# Altium PCB PCB_15122020_01BC.PcbDoc (part 2 of 9) (continued)
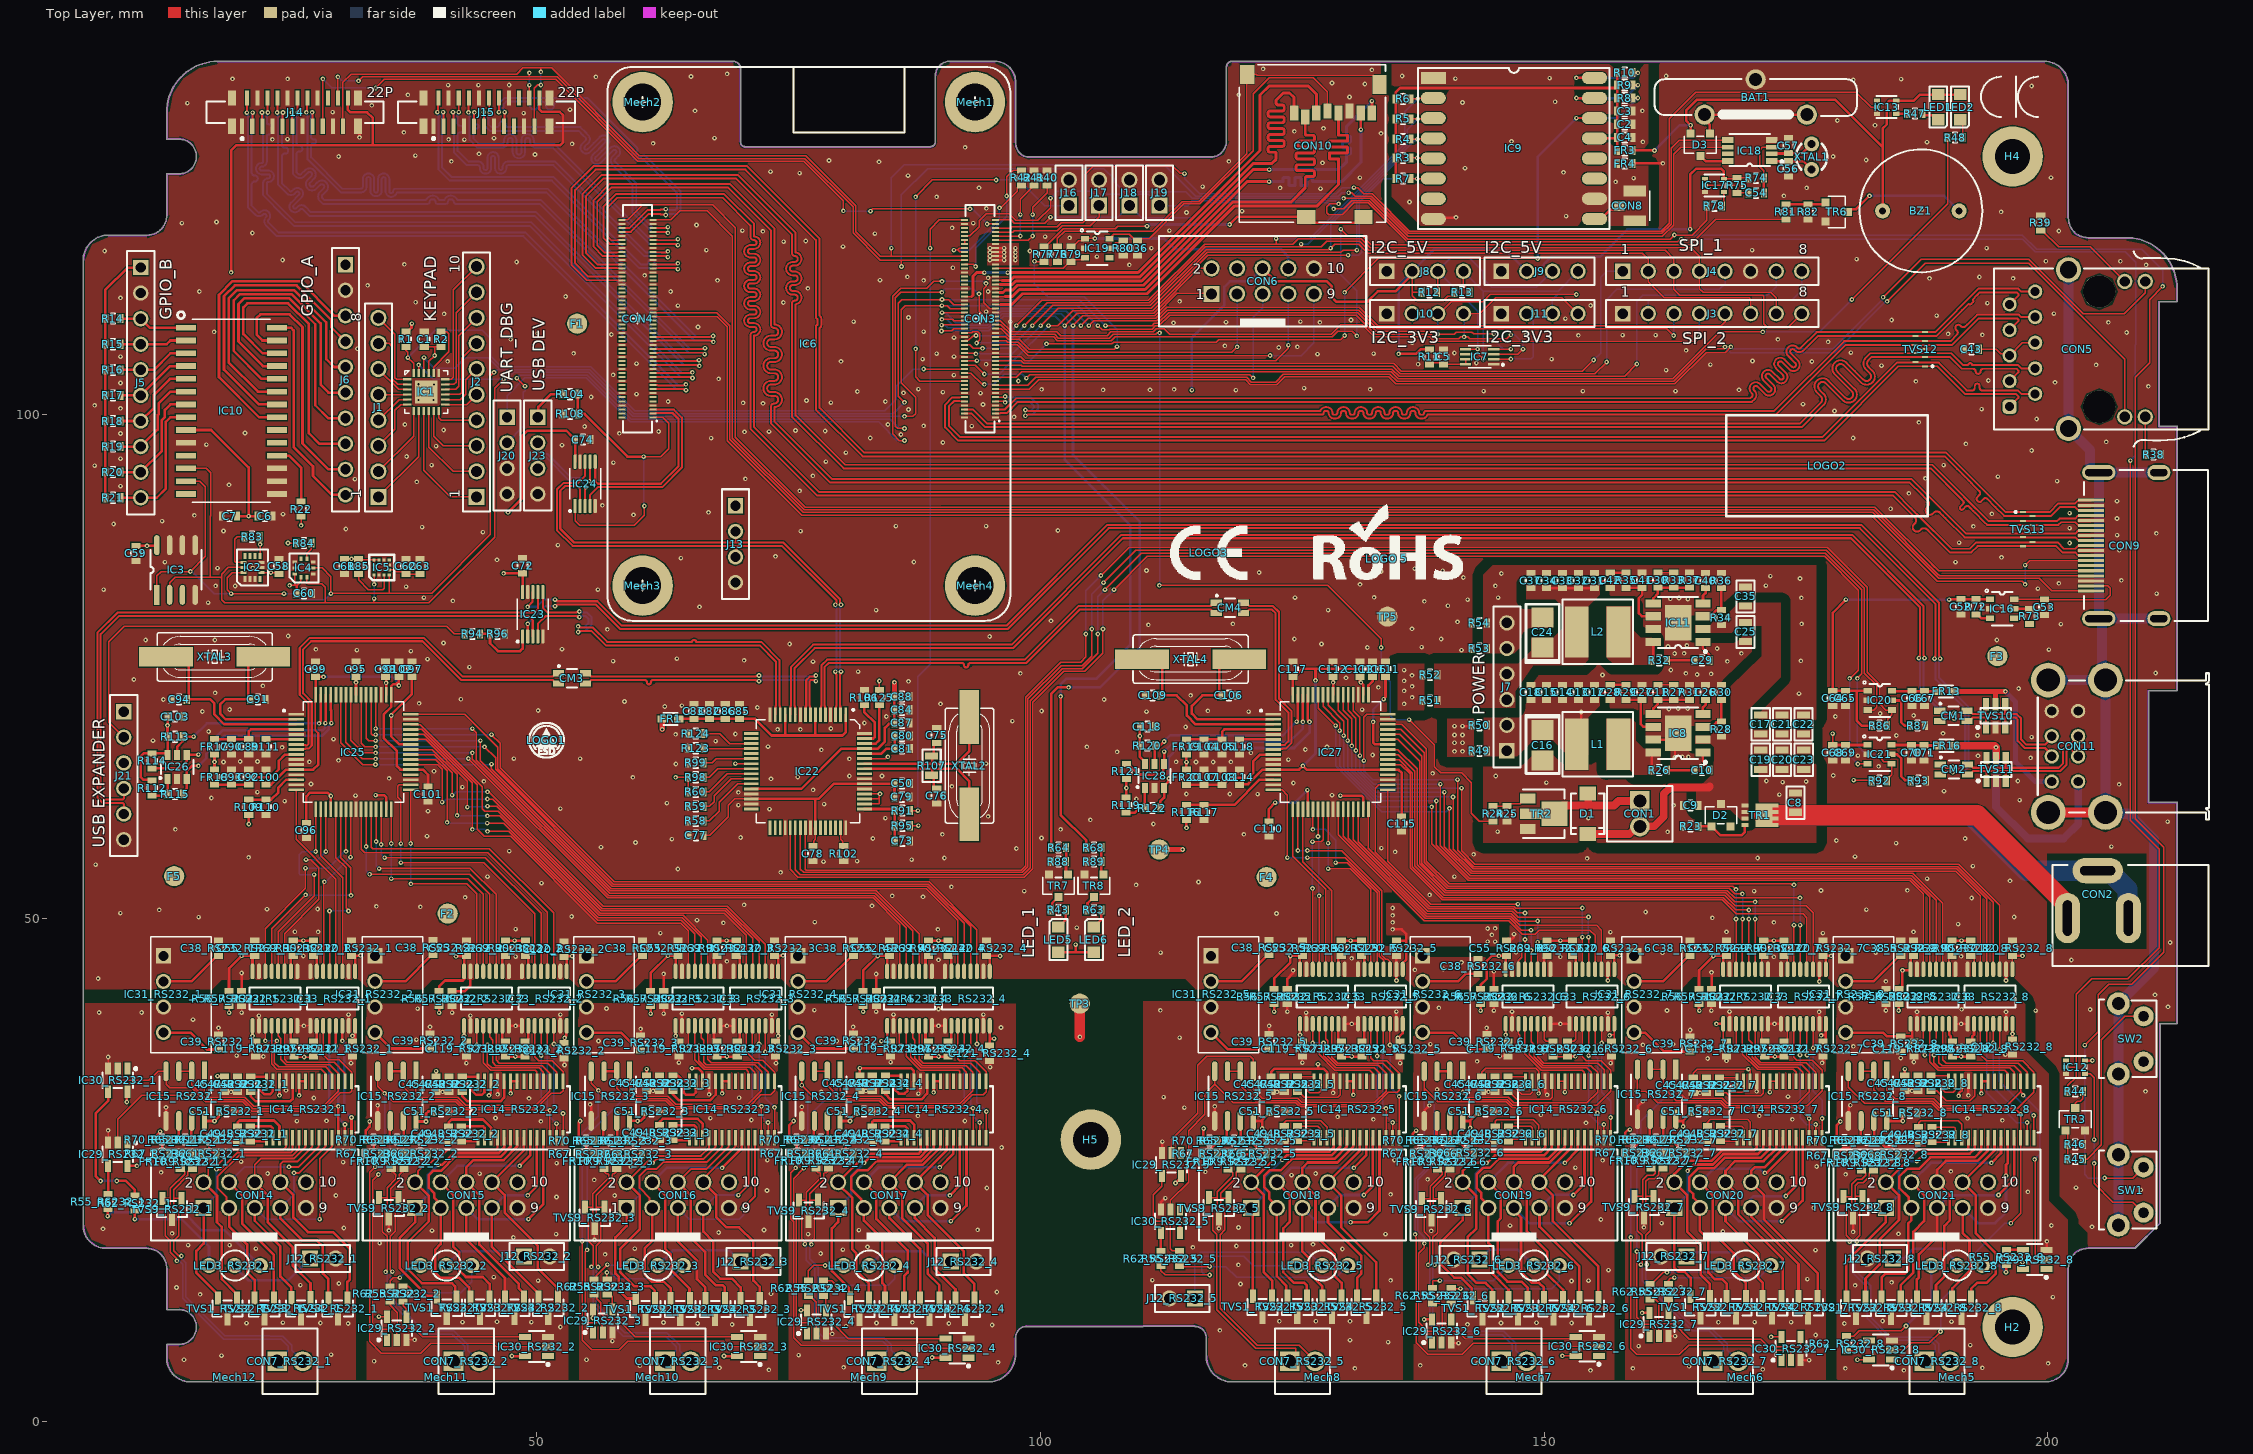
[diagram p0: Top Layer view]
## Part data (continued)
IC3: "SENSOR DIGITAL -55C-125C 8SOIC", Case/Package=SOIC, Manufacturer="TI National Semiconductor", Max Operating Temperature=125°C, Max Supply Voltage=5.5V, Min Operating Temperature=-55°C, Min Supply Voltage=2.7V, Operating Supply Current=280uA, Output Current=1uA, Package Quantity=2500, Quiescent Current=500uA, Supplier Part Number 1=LM75AIMX/NOPBCT-ND, Category="Sensors, Transducers", ComponentLink1Description=https://datasheet.ciiva.com/3277/lm75a-3277942.pdf?src-supplier=Avnet, ComponentLink1URL=https://datasheet.ciiva.com/3277/lm75a-3277942.pdf?src-supplier=Avnet, ComponentLink2Description=https://datasheet.ciiva.com/46417/1841923-46417014.pdf?src-supplier=Element14, ComponentLink2URL=https://datasheet.ciiva.com/46417/1841923-46417014.pdf?src-supplier=Element14, ComponentLink3Description=https://datasheet.ciiva.com/6598/lm75a-6598537.pdf?src-supplier=Digi-Key, ComponentLink3URL=https://datasheet.ciiva.com/6598/lm75a-6598537.pdf?src-supplier=Digi-Key, ComponentLink4Description=https://datasheet.ciiva.com/6598/lm75a-6598538.pdf?src-supplier=Digi-Key, ComponentLink4URL=https://datasheet.ciiva.com/6598/lm75a-6598538.pdf?src-supplier=Digi-Key, ComponentLink5Description=https://datasheet.ciiva.com/6598/lm75a-6598539.pdf?src-supplier=Digi-Key, ComponentLink5URL=https://datasheet.ciiva.com/6598/lm75a-6598539.pdf?src-supplier=Digi-Key, Contact Plating=Tin, Interface=I2C,SMBus,2-Wire, Lead Free="Lead Free", Manufacturer Part Number=LM75AIMX/NOPB, Max Supply Voltage (DC)=5.5V, Min Supply Voltage (DC)=2.7V, Mount="Surface Mount", Number of Bits=9, Number of Pins=8, Output Type=I2C,Digital, Packaging="Tape and Reel", Pricing 1="1 = 1,81000, 5 = 1,74200, 10 = 1,41600, 25 = 1,21960, 50 = 1,05640, 100 = 0,95830, 500 = 0,80586, 1000 = 0,71874 (USD)", Radiation Hardening=No, REACH SVHC="No SVHC", Resolution=9b, RoHS=Yes, Stock 1=21295, Supplier 1=Digi-Key
IC4: "IC MEMS PRESSURE SENSOR 10HCLGA", Manufacturer=STMicroelectronics, Max Operating Temperature=105°C, Max Supply Voltage=3.6V, Min Operating Temperature=-30°C, Min Supply Voltage=1.7V, Operating Pressure=18.27PSI, Supplier Part Number 1=497-15070-1-ND, Category="Sensors, Transducers", ComponentLink1Description=http://www.farnell.com/datasheets/2309000.pdf?src-supplier=Farnell, ComponentLink1URL=http://www.farnell.com/datasheets/2309000.pdf?src-supplier=Farnell, ComponentLink2Description=https://www.mouser.com/ds/2/389/lps25hb-954985.pdf?src-supplier=Mouser, ComponentLink2URL=https://www.mouser.com/ds/2/389/lps25hb-954985.pdf?src-supplier=Mouser, ComponentLink3Description=http://www.st.com/content/ccc/resource/technical/document/datasheet/9a/4c/aa/72/1f/45/4e/24/DM00141379.pdf/files/DM00141379.pdf/jcr:content/translations/en.DM00141379.pdf?src-supplier=Digi-Key, ComponentLink3URL=http://www.st.com/content/ccc/resource/technical/document/datasheet/9a/4c/aa/72/1f/45/4e/24/DM00141379.pdf/files/DM00141379.pdf/jcr:content/translations/en.DM00141379.pdf?src-supplier=Digi-Key, ComponentLink4Description=http://www.farnell.com/datasheets/2309000.pdf?src-supplier=Newark, ComponentLink4URL=http://www.farnell.com/datasheets/2309000.pdf?src-supplier=Newark, ComponentLink5Description=http://www.farnell.com/datasheets/1992925.pdf?src-supplier=Element14, ComponentLink5URL=http://www.farnell.com/datasheets/1992925.pdf?src-supplier=Element14, ComponentLink6Description=http://www.st.com/st-web-ui/static/active/en/resource/technical/document/datasheet/DM00141379.pdf?src-supplier=Avnet, ComponentLink6URL=http://www.st.com/st-web-ui/static/active/en/resource/technical/document/datasheet/DM00141379.pdf?src-supplier=Avnet, ComponentLink7Description=http://www.st.com/st-web-ui/static/active/en/resource/technical/document/datasheet/DM00141379.pdf?src-supplier=Avnet+Asia, ComponentLink7URL=http://www.st.com/st-web-ui/static/active/en/resource/technical/document/datasheet/DM00141379.pdf?src-supplier=Avnet+Asia, Contact Plating=Gold, Lead Free="Lead Free", Manufacturer Part Number=LPS25HBTR, Max Pressure=290.08PSI, Mount="Surface Mount", Number of Pins=10, Output Type=SPI,I2C, Port Style="No Port", Pressure Type=Absolute, Pricing 1="1 = 4,05000, 10 = 3,63900, 25 = 3,44040, 100 = 2,98160, 500 = 2,53814, 1000 = 2,14060 (USD)", Pricing 2="1 = 4,05000, 10 = 3,63900, 25 = 3,44040, 100 = 2,98160, 500 = 2,53814, 1000 = 2,14060 (USD)", REACH SVHC="No SVHC", RoHS=Yes, Stock 1=1317, Stock 2=757, Supplier 1=Digi-Key, Termination=Solder
IC5: "ULTRA-COMPACT HIGH-PERFORMANCE E", Manufacturer=STMicroelectronics, Supplier Part Number 1=497-17588-6-ND, Category="Sensors, Transducers", ComponentLink1Description=http://www.st.com/content/ccc/resource/technical/document/datasheet/group3/29/13/d1/e0/9a/4d/4f/30/DM00395193/files/DM00395193.pdf/jcr:content/translations/en.DM00395193.pdf?src-supplier=Digi-Key, ComponentLink1URL=http://www.st.com/content/ccc/resource/technical/document/datasheet/group3/29/13/d1/e0/9a/4d/4f/30/DM00395193/files/DM00395193.pdf/jcr:content/translations/en.DM00395193.pdf?src-supplier=Digi-Key, Manufacturer Part Number=LIS2MDLTR, Pricing 1="1 = 1,95000, 10 = 1,74900, 25 = 1,65000, 100 = 1,40580, 500 = 1,15500, 1000 = 0,95700, 5000 = 0,85800 (USD)", RoHS=No, Stock 1=20734, Supplier 1=Digi-Key
IC6: library part CM4, Category=Module
IC7: "TEXAS INSTRUMENTS - PCA9306DCUR - 2 BIT VOLTAGE LEVEL TRANSLATOR VSSOP8", Case/Package=VSSOP, Manufacturer="Texas Instruments", Max Operating Temperature=85°C, Max Supply Voltage=5V, Min Operating Temperature=-40°C, Min Supply Voltage=0uV, Output Current=64mA, Package Quantity=1, Supplier Part Number 1=296-17988-1-ND, Category="Integrated Circuits (ICs) Logic - Translators, Level Shifters", ComponentLink1Description=https://datasheet.ciiva.com/36526/2030035-36526265.pdf?src-supplier=Jameco, ComponentLink1URL=https://datasheet.ciiva.com/36526/2030035-36526265.pdf?src-supplier=Jameco, ComponentLink2Description=https://datasheet.ciiva.com/1899/pca9306-1899329.pdf?src-supplier=Digi-Key, ComponentLink2URL=https://datasheet.ciiva.com/1899/pca9306-1899329.pdf?src-supplier=Digi-Key, ComponentLink3Description=https://datasheet.ciiva.com/1899/pca9306-1899330.pdf?src-supplier=Digi-Key, ComponentLink3URL=https://datasheet.ciiva.com/1899/pca9306-1899330.pdf?src-supplier=Digi-Key, ComponentLink4Description=https://datasheet.ciiva.com/1899/pca9306-1899331.pdf?src-supplier=Digi-Key, ComponentLink4URL=https://datasheet.ciiva.com/1899/pca9306-1899331.pdf?src-supplier=Digi-Key, ComponentLink5Description=https://datasheet.ciiva.com/14287/pca9306-14287462.pdf?src-supplier=Avnet, ComponentLink5URL=https://datasheet.ciiva.com/14287/pca9306-14287462.pdf?src-supplier=Avnet, ComponentLink6Description=https://datasheet.ciiva.com/1508/1815321-1508635.pdf?src-supplier=Element14, ComponentLink6URL=https://datasheet.ciiva.com/1508/1815321-1508635.pdf?src-supplier=Element14, ComponentLink7Description=https://datasheet.ciiva.com/1508/1862428-1508795.pdf?src-supplier=Element14, ComponentLink7URL=https://datasheet.ciiva.com/1508/1862428-1508795.pdf?src-supplier=Element14, Contact Plating=Gold, Height=0.85mm, Lead Free="Lead Free", Length=2.3mm, Logic Function=Translator, Manufacturer Part Number=PCA9306DCUR, Number of Bits=2, Number of Channels=2, Number of Inputs=2, Number of Outputs=2, Number of Pins=8, Output Type=I2C, Packaging="Tape and Reel", Pricing 1="1 = 0,71000, 10 = 0,62700, 25 = 0,58920, 100 = 0,48070, 250 = 0,44652, 500 = 0,38000, 1000 = 0,30400 (USD)", Propagation Delay=1.4ns, Radiation Hardening=No, REACH SVHC="No SVHC", RoHS=Yes, Stock 1=19235, Supplier 1=Digi-Key, Termination=SMD/SMT, Turn-On Delay Time=1.2ns, Weight=0.000339oz, Width=2mm
IC8 IC11: "Buck Switching Regulator IC Positive Adjustable 0.8V 1 Output 5A 8-SOIC (0.154\", 3.90mm Width) Exposed Pad", Manufacturer=Diodes, Supplier Part Number 1=31-AP64501SP-13CT-ND, Category="Integrated Circuits - PMIC - Voltage Regulators - DC DC Switching Regulators", Manufacturer Part Number=AP64501SP-13, Pricing 1="1 = 2,30000, 10 = 2,06700, 25 = 1,95000, 100 = 1,56000, 250 = 1,36500, 500 = 1,32600, 1000 = 1,05300 (USD)", RoHS=No, Stock 1=17836, Supplier 1=Digi-Key
IC9: "RFM95 ULTRA-LONG RANGE TRANSCEIV", Manufacturer="Seeed Studio", Manufacturer Part Number=109990166, Supplier Part Number 1=1597-1488-ND, Category=Module, ComponentLink1Description=https://github.com/SeeedDocument/RFM95-98_LoRa_Module/blob/master/RFM95_96_97_98_DataSheet.pdf?src-supplier=Digi-Key, ComponentLink1URL=https://github.com/SeeedDocument/RFM95-98_LoRa_Module/blob/master/RFM95_96_97_98_DataSheet.pdf?src-supplier=Digi-Key, Pricing 1="1 = 7,09000 (USD)", RoHS=No, Stock 1=987, Supplier 1=Digi-Key
IC10: "IC I/O EXPANDER I2C 16B 28SOIC", Case/Package=SOIC, Frequency=1.7MHz, Manufacturer=Microchip, Max Operating Temperature=125°C, Min Operating Temperature=-40°C, Nominal Supply Current=1mA, Operating Supply Voltage=5.5V, Package Quantity=1600, Supplier Part Number 1=MCP23017T-E/SOCT-ND, Category="Integrated Circuits Interface - I/O Expanders", ComponentLink1Description=https://datasheet.ciiva.com/1780/21952b-1780728.pdf?src-supplier=Digi-Key, ComponentLink1URL=https://datasheet.ciiva.com/1780/21952b-1780728.pdf?src-supplier=Digi-Key, ComponentLink2Description=https://datasheet.ciiva.com/8128/21952b-8128585.pdf?src-supplier=Avnet, ComponentLink2URL=https://datasheet.ciiva.com/8128/21952b-8128585.pdf?src-supplier=Avnet, ComponentLink3Description=https://datasheet.ciiva.com/16454/filehandler-aspxddocname-en023709-16454265.pdf?src-supplier=Future+Electronics, ComponentLink3URL=https://datasheet.ciiva.com/16454/filehandler-aspxddocname-en023709-16454265.pdf?src-supplier=Future+Electronics, ComponentLink4Description=https://datasheet.ciiva.com/12267/21952b-12267564.pdf?src-supplier=Mouser, ComponentLink4URL=https://datasheet.ciiva.com/12267/21952b-12267564.pdf?src-supplier=Mouser, ComponentLink5Description=https://datasheet.ciiva.com/16617/21952b-16617631.pdf?src-supplier=Avnet+Europe, ComponentLink5URL=https://datasheet.ciiva.com/16617/21952b-16617631.pdf?src-supplier=Avnet+Europe, Interface=I2C,Serial, Lead Free="Lead Free", Manufacturer Part Number=MCP23017T-E/SO, Max Frequency=1.7MHz, Number of Bits=16, Number of Channels=1, Number of I/Os=16, Number of Pins=28, Packaging="Tape and Reel", Pricing 1="1 = 1,20000, 25 = 1,00000, 100 = 0,91000 (USD)", RoHS=Yes, Stock 1=9970, Supplier 1=Digi-Key
IC12 IC13 IC17: "Buffer/Driver 1-CH Non-Inverting Open Drain CMOS 5-Pin SOT-353 T/R", Case/Package=SOT-353, Low Level Output Current=32mA, Manufacturer=Diodes, Max Operating Temperature=85°C, Max Supply Voltage=5.5V, Min Operating Temperature=-40°C, Min Supply Voltage=1.65V, Operating Supply Current=10uA, Package Quantity=3000, Quiescent Current=200uA, Supplier Part Number 1=74LVC1G07SE-7DICT-ND, Category="Integrated Circuits (ICs) Logic - Buffers, Drivers, Receivers, Transceivers", ComponentLink1Description=https://datasheet.ciiva.com/8260/74lvc1g07-8260976.pdf?src-supplier=Avnet, ComponentLink1URL=https://datasheet.ciiva.com/8260/74lvc1g07-8260976.pdf?src-supplier=Avnet, ComponentLink2Description=https://datasheet.ciiva.com/26856/getdatasheetpartid-302086-26856250.pdf?src-supplier=Verical, ComponentLink2URL=https://datasheet.ciiva.com/26856/getdatasheetpartid-302086-26856250.pdf?src-supplier=Verical, ComponentLink3Description=https://datasheet.ciiva.com/1832/74lvc1g07-1832566.pdf?src-supplier=Digi-Key, ComponentLink3URL=https://datasheet.ciiva.com/1832/74lvc1g07-1832566.pdf?src-supplier=Digi-Key, ComponentLink4Description=https://datasheet.ciiva.com/1832/74lvc1g07-1832567.pdf?src-supplier=Digi-Key, ComponentLink4URL=https://datasheet.ciiva.com/1832/74lvc1g07-1832567.pdf?src-supplier=Digi-Key, ComponentLink5Description=https://datasheet.ciiva.com/1832/74lvc1g07-1832568.pdf?src-supplier=Digi-Key, ComponentLink5URL=https://datasheet.ciiva.com/1832/74lvc1g07-1832568.pdf?src-supplier=Digi-Key, ComponentLink6Description=https://datasheet.ciiva.com/1506/74lvc1g07-1506202.pdf?src-supplier=Element14, ComponentLink6URL=https://datasheet.ciiva.com/1506/74lvc1g07-1506202.pdf?src-supplier=Element14, ComponentLink7Description=https://datasheet.ciiva.com/17291/74lvc1g07-17291948.pdf?src-supplier=Avnet+Europe, ComponentLink7URL=https://datasheet.ciiva.com/17291/74lvc1g07-17291948.pdf?src-supplier=Avnet+Europe, ComponentLink8Description=https://datasheet.ciiva.com/8305/74lvc1g07-8305775.pdf?src-supplier=Avnet, ComponentLink8URL=https://datasheet.ciiva.com/8305/74lvc1g07-8305775.pdf?src-supplier=Avnet, Height=1mm, Lead Free="Lead Free", Length=2.2mm, Logic Function=Buffer,Inverting, Manufacturer Part Number=74LVC1G07SE-7, Mount="Surface Mount", Number of Bits per Element=1, Number of Channels=1, Number of Elements=1, Number of Gates=1, Number of Input Lines=1, Number of Inputs=1, Number of Output Lines=1, Number of Outputs=1, Number of Pins=5, Packaging="Tape and Reel", Polarity=Inverting,Non-Inverting, Pricing 1="1 = 0,26000, 10 = 0,21500, 25 = 0,18000, 100 = 0,11400, 250 = 0,08800, 500 = 0,07500, 1000 = 0,05100 (USD)", Propagation Delay=8.5ns, Radiation Hardening=No, REACH SVHC="No SVHC", RoHS=Yes, Stock 1=16164, Supplier 1=Digi-Key, Turn-On Delay Time=8.5ns, Width=1.35mm
IC14_RS232_1 IC14_RS232_2 IC14_RS232_3 IC14_RS232_4 IC14_RS232_5 IC14_RS232_6 IC14_RS232_7 IC14_RS232_8: "3-V to 5.5-V Multichannel RS-232 Line Driver/Receiver With +/-15-kV (HBM) ESD Protection 28-TSSOP -40 to 85", Case/Package=TSSOP, Manufacturer="Texas Instruments", Max Operating Temperature=85°C, Max Supply Voltage=5.5V, Min Operating Temperature=-40°C, Min Supply Voltage=3V, Nominal Supply Current=1mA, Operating Supply Voltage=5V, Package Quantity=1, Supplier Part Number 1=595-TRS3243IPWR, Category="Integrated Circuits-Interface - Drivers, Receivers, Transceivers", ComponentLink1Description=https://datasheet.ciiva.com/26913/getdatasheetpartid-247119-26913223.pdf?src-supplier=Verical, ComponentLink1URL=https://datasheet.ciiva.com/26913/getdatasheetpartid-247119-26913223.pdf?src-supplier=Verical, ComponentLink2Description=https://datasheet.ciiva.com/1705/trs3243-1705475.pdf?src-supplier=Digi-Key, ComponentLink2URL=https://datasheet.ciiva.com/1705/trs3243-1705475.pdf?src-supplier=Digi-Key, ComponentLink3Description=https://datasheet.ciiva.com/1705/trs3243-1705476.pdf?src-supplier=Digi-Key, ComponentLink3URL=https://datasheet.ciiva.com/1705/trs3243-1705476.pdf?src-supplier=Digi-Key, ComponentLink4Description=https://datasheet.ciiva.com/1705/trs3243-1705477.pdf?src-supplier=Digi-Key, ComponentLink4URL=https://datasheet.ciiva.com/1705/trs3243-1705477.pdf?src-supplier=Digi-Key, ComponentLink5Description=https://octopart.com/click/track?ai=10049&ct=datasheets&sig=01ed8e4&at=physicalpart&sid=370&ppid=7097462&hlid=30260159&src-supplier=TI+store, ComponentLink5URL=https://octopart.com/click/track?ai=10049&ct=datasheets&sig=01ed8e4&at=physicalpart&sid=370&ppid=7097462&hlid=30260159&src-supplier=TI+store, ComponentLink6Description=http://datasheet.octopart.com/TRS3243IPWR-Texas-Instruments-datasheet-149751.pdf?src-supplier=TI+store, ComponentLink6URL=http://datasheet.octopart.com/TRS3243IPWR-Texas-Instruments-datasheet-149751.pdf?src-supplier=TI+store, ComponentLink7Description=http://datasheet.octopart.com/TRS3243IPWR-Texas-Instruments-datasheet-10256493.pdf?src-supplier=TI+store, ComponentLink7URL=http://datasheet.octopart.com/TRS3243IPWR-Texas-Instruments-datasheet-10256493.pdf?src-supplier=TI+store, ComponentLink8Description=http://datasheet.octopart.com/TRS3243IPWR-Texas-Instruments-datasheet-41218929.pdf?src-supplier=TI+store, ComponentLink8URL=http://datasheet.octopart.com/TRS3243IPWR-Texas-Instruments-datasheet-41218929.pdf?src-supplier=TI+store, ComponentLink9Description=http://sigma.octopart.com/49249796/technical_drawing/Texas-Instruments-TRS3243IPWR.pdf?src-supplier=TI+store, ComponentLink9URL=http://sigma.octopart.com/49249796/technical_drawing/Texas-Instruments-TRS3243IPWR.pdf?src-supplier=TI+store, Data Rate=250Kbps, Lead Free="Lead Free", Logic Function=Receiver, Manufacturer Part Number=TRS3243IPWR, Mount="Surface Mount", Number of Drivers=3, Number of Pins=28, Number of Receivers=5, Number of Transceivers=1, Number of Transmitters=3, Packaging="Tape and Reel", Pricing 1="1 = 1,72000, 10 = 1,46000, 100 = 1,17000, 250 = 1,03000, 500 = 0,99100, 1000 = 0,78700 (USD)", Radiation Hardening=No, Stock 1=2373, Supplier 1=Mouser, Weight=0.004145oz
IC15_RS232_1 IC15_RS232_2 IC15_RS232_3 IC15_RS232_4 IC15_RS232_5 IC15_RS232_6 IC15_RS232_7 IC15_RS232_8: "IC TXRX RS485/422 10MBPS 8SOIC", Case/Package=SOIC, Manufacturer=Maxim, Max Operating Temperature=70°C, Max Power Dissipation=727mW, Max Supply Voltage=3.6V, Min Operating Temperature=0°C, Min Supply Voltage=3V, Nominal Supply Current=1mA, Operating Supply Voltage=3.3V, Output Current=60mA, Output Voltage=12.5V, Package Quantity=2500, Supplier Part Number 1=MAX3485ECSA+CT-ND, Category="Integrated Circuits-Interface - Drivers, Receivers, Transceivers", ComponentLink1Description=https://datasheet.ciiva.com/22828/0900766b810e26bd-22828313.pdf?src-supplier=RSComponents, ComponentLink1URL=https://datasheet.ciiva.com/22828/0900766b810e26bd-22828313.pdf?src-supplier=RSComponents, ComponentLink2Description=https://datasheet.ciiva.com/26830/max3485ecsa-t-26830030.pdf?src-supplier=IIIC, ComponentLink2URL=https://datasheet.ciiva.com/26830/max3485ecsa-t-26830030.pdf?src-supplier=IIIC, ComponentLink3Description=https://datasheet.ciiva.com/1774/max3483e-max3491e-1774868.pdf?src-supplier=Digi-Key, ComponentLink3URL=https://datasheet.ciiva.com/1774/max3483e-max3491e-1774868.pdf?src-supplier=Digi-Key, ComponentLink4Description=https://datasheet.ciiva.com/14430/max3483e-max3491e-14430090.pdf?src-supplier=Avnet, ComponentLink4URL=https://datasheet.ciiva.com/14430/max3483e-max3491e-14430090.pdf?src-supplier=Avnet, Contact Plating=Tin, Data Rate=15Mbps, Height=1.5mm, Interface=RS-422, Length=5mm, Logic Function=Transceiver, Manufacturer Part Number=MAX3485ECSA+T, Mount="Surface Mount", Number of Drivers=1, Number of Pins=8, Number of Receivers=1, Number of Transceivers=1, Number of Transmitters=1, Packaging="Tape and Reel", Pricing 1="1 = 5,74000, 10 = 5,12400, 25 = 4,61200, 100 = 4,20190, 250 = 3,79196, 500 = 3,40250, 1000 = 2,86958 (USD)", Propagation Delay=22ns, Radiation Hardening=No, REACH SVHC=Unknown, Receiver Hysteresis=50mV, RoHS=Yes, Simplex/Duplex="Half Duplex", Stock 1=2261, Supplier 1=Digi-Key, Width=4mm
IC16 IC19 IC20 IC21: "Power Switch/Driver 1:1 P-Channel 2.1A SOT-23-6", Manufacturer=Diodes, Supplier Part Number 1=31-AP22653W6-7CT-ND, Category="Integrated Circuits - PMIC - Power Distribution Switches, Load Drivers", Manufacturer Part Number=AP22653W6-7, Pricing 1="1 = 0,42000, 10 = 0,35600, 25 = 0,33200, 100 = 0,24670, 250 = 0,20880, 500 = 0,19930, 1000 = 0,14710 (USD)", RoHS=No, Stock 1=12659, Supplier 1=Digi-Key
IC18: "Real time clock, TSSOP-8,", Case/Package=TSSOP, Manufacturer="NXP Semiconductors", Max Operating Temperature=85°C, Max Supply Voltage=5.5V, Min Operating Temperature=-40°C, Min Supply Voltage=900mV, Supplier Part Number 1=568-12404-1-ND, Category="Integrated Circuits (ICs) Clock/Timing - Real Time Clocks", ComponentLink1Description=http://www.farnell.com/datasheets/2014362.pdf?src-supplier=Farnell, ComponentLink1URL=http://www.farnell.com/datasheets/2014362.pdf?src-supplier=Farnell, ComponentLink2Description=https://www.nxp.com/docs/en/data-sheet/PCF85063A.pdf?src-supplier=Digi-Key, ComponentLink2URL=https://www.nxp.com/docs/en/data-sheet/PCF85063A.pdf?src-supplier=Digi-Key, ComponentLink3Description=http://www.nxp.com/documents/data_sheet/PCF85063A.pdf?src-supplier=Avnet+Asia, ComponentLink3URL=http://www.nxp.com/documents/data_sheet/PCF85063A.pdf?src-supplier=Avnet+Asia, ComponentLink4Description=http://www.nxp.com/documents/data_sheet/PCF85063A.pdf?src-supplier=Avnet, ComponentLink4URL=http://www.nxp.com/documents/data_sheet/PCF85063A.pdf?src-supplier=Avnet, Contact Plating=Gold, Date Format=YY-MM-DD-dd, Interface=I2C,Serial,2-Wire, Lead Free="Lead Free", Logic Function=Clock, Manufacturer Part Number=PCF85063ATT/AJ, Mount="Surface Mount", Number of Pins=8, Packaging="Tape and Reel", Pricing 1="1 = 0,83000, 10 = 0,73300, 25 = 0,68880, 100 = 0,56220, 250 = 0,52216, 500 = 0,44440, 1000 = 0,35552 (USD)", RoHS=Yes, Stock 1=34322, Supplier 1=Digi-Key, Time Format="HH:MM:SS (12/24 hr)"
IC22: "Low Speed/Full Speed/High Speed Compatible 4 Port Hub USB 2.0 1.8V/3.3V 64-Pin TQFP", Case/Package=TQFP, Dual Supply Voltage=3.3V, Manufacturer=Microchip, Max Operating Temperature=70°C, Max Supply Voltage=3.6V, Min Operating Temperature=0°C, Min Supply Voltage=3V, Operating Supply Current=295mA, Package Quantity=160, Supplier Part Number 1=USB2504-JT-ND, Category="Integrated Circuits - Interface - Controllers", ComponentLink1Description=https://datasheet.ciiva.com/6636/filehandler-aspxddocname-en562618-6636281.pdf?src-supplier=Digi-Key, ComponentLink1URL=https://datasheet.ciiva.com/6636/filehandler-aspxddocname-en562618-6636281.pdf?src-supplier=Digi-Key, Data Rate=480Mbps, Height=1.45mm, Interface=Serial, Lead Free="Lead Free", Length=10.2mm, Manufacturer Part Number=USB2504-JT, Mount="Surface Mount", Number of Pins=64, Number of Ports=4, Number of Transceivers=3, Operating Supply Voltage=3.3V, Packaging=Tray, Pricing 1="1 = 3,83000, 25 = 3,33000 (USD)", Radiation Hardening=No, REACH SVHC="No SVHC", RoHS=Yes, RoHS Compliant=Yes, Stock 1=112, Supplier 1=Digi-Key, Width=10.2mm
IC23 IC24: "FAIRCHILD SEMICONDUCTOR         FSUSB20MUX             USB Interface, Switch, USB 2.0, 3 V, 3.6 V, MSOP, 10 Pins", Case/Package=MSOP, Drain to Source Resistance=4.5R, Manufacturer="ON Semiconductor / Fairchild", Max Operating Temperature=85°C, Max Supply Voltage=3.6V, Min Operating Temperature=-40°C, Min Supply Voltage=3V, On-State Resistance=6.5R, Package Quantity=4000, Supplier Part Number 1=FSUSB20MUXCT-ND, Bandwidth=750MHz, Category="Integrated Circuits - Interface - Analog Switches - Special Purpose", ComponentLink1Description=https://datasheet.ciiva.com/15127/getdatasheetpartid-194036-15127411.pdf?src-supplier=Verical, ComponentLink1URL=https://datasheet.ciiva.com/15127/getdatasheetpartid-194036-15127411.pdf?src-supplier=Verical, ComponentLink2Description=https://datasheet.ciiva.com/1561/1639818-1561411.pdf?src-supplier=Farnell, ComponentLink2URL=https://datasheet.ciiva.com/1561/1639818-1561411.pdf?src-supplier=Farnell, ComponentLink3Description=https://datasheet.ciiva.com/1505/1639818-1505277.pdf?src-supplier=Element14, ComponentLink3URL=https://datasheet.ciiva.com/1505/1639818-1505277.pdf?src-supplier=Element14, ComponentLink4Description=https://datasheet.ciiva.com/1504/1639818-1504943.pdf?src-supplier=Element14, ComponentLink4URL=https://datasheet.ciiva.com/1504/1639818-1504943.pdf?src-supplier=Element14, ComponentLink5Description=https://datasheet.ciiva.com/6638/fsusb20-6638645.pdf?src-supplier=Digi-Key, ComponentLink5URL=https://datasheet.ciiva.com/6638/fsusb20-6638645.pdf?src-supplier=Digi-Key, ComponentLink6Description=https://datasheet.ciiva.com/6638/fsusb20-6638599.pdf?src-supplier=Digi-Key, ComponentLink6URL=https://datasheet.ciiva.com/6638/fsusb20-6638599.pdf?src-supplier=Digi-Key, ComponentLink7Description=https://datasheet.ciiva.com/6638/fsusb20-6638650.pdf?src-supplier=Digi-Key, ComponentLink7URL=https://datasheet.ciiva.com/6638/fsusb20-6638650.pdf?src-supplier=Digi-Key, ComponentLink8Description=https://datasheet.ciiva.com/11576/fsusb20-11576253.pdf?src-supplier=Avnet, ComponentLink8URL=https://datasheet.ciiva.com/11576/fsusb20-11576253.pdf?src-supplier=Avnet, ComponentLink9Description=https://datasheet.ciiva.com/26228/fsusb20-26228270.pdf?src-supplier=Avnet+Europe, ComponentLink9URL=https://datasheet.ciiva.com/26228/fsusb20-26228270.pdf?src-supplier=Avnet+Europe, Data Rate=480Mbps, Lead Free="Lead Free", Manufacturer Part Number=FSUSB20MUX, Mount="Surface Mount", Number of Channels=1, Number of Inputs=4, Number of Outputs=2, Number of Pins=10, Number of Ports=1, Packaging="Tape and Reel", Pricing 1="1 = 1,97000, 10 = 1,76700, 25 = 1,66720, 100 = 1,42040, 250 = 1,33368, 500 = 1,16698, 1000 = 1,10092 (USD)", Propagation Delay=0.25ns, Radiation Hardening=No, REACH SVHC="No SVHC", RoHS=Yes, RoHS Compliant=Yes, Stock 1=7192, Supplier 1=Digi-Key, Supply Type=Single, Termination=SMD/SMT, Throw Configuration=DPST, Turn-Off Delay Time=2.2ns, Turn-On Delay Time=4.8ns, USB Standard="USB 2.0", Weight=0.1125g
IC25 IC27: library part FT4232HL-TRAY, "IC USB HS QUAD UART/SYNC 64-LQFP", Case/Package=LQFP, Manufacturer=FTDI, Max Operating Temperature=85°C, Max Supply Voltage=3.63V, Min Operating Temperature=-40°C, Min Supply Voltage=1.62V, Operating Supply Current=70mA, Operating Supply Voltage=3.3V, Package Quantity=160, Supplier Part Number 1=768-1309-ND, Category="Integrated Circuits - Interface - Controllers", ComponentLink1Description=https://datasheet.ciiva.com/26852/getdatasheetpartid-653404-26852859.pdf?src-supplier=Verical, ComponentLink1URL=https://datasheet.ciiva.com/26852/getdatasheetpartid-653404-26852859.pdf?src-supplier=Verical, ComponentLink2Description=https://datasheet.ciiva.com/26841/ft4232hl-tray-26841239.pdf?src-supplier=IIIC, ComponentLink2URL=https://datasheet.ciiva.com/26841/ft4232hl-tray-26841239.pdf?src-supplier=IIIC, ComponentLink3Description=https://datasheet.ciiva.com/1787/ds-ft4232h-1787139.pdf?src-supplier=Digi-Key, ComponentLink3URL=https://datasheet.ciiva.com/1787/ds-ft4232h-1787139.pdf?src-supplier=Digi-Key, Interface=UART, Manufacturer Part Number=FT4232HL-TRAY, Mount="Surface Mount", Number of Channels=1, Number of Pins=64, Packaging=Tray, Pricing 1="1 = 8,30000, 10 = 8,09000, 50 = 7,46000, 100 = 7,14000, 500 = 6,88002, 1000 = 6,08000, 2500 = 5,28299 (USD)", Radiation Hardening=No, RoHS=Yes, Stock 1=1575, Supplier 1=Digi-Key
IC26 IC28: "MICROCHIP - 93LC46BT-I/OT - EEPROM, Microwire, 1 Kbit, 64 x 16bit, Serial Microwire, 3 MHz, SOT-23, 6 Pins", Case/Package=SOT-23, Frequency=2MHz, Manufacturer=Microchip, Max Operating Temperature=85°C, Max Supply Voltage=5.5V, Min Operating Temperature=-40°C, Min Supply Voltage=2.5V, Nominal Supply Current=2mA, Package Quantity=3000, Supplier Part Number 1=93LC46BT-I/OTCT-ND, Access Time=250ns, Category="Integrated Circuits (ICs) - Memory", ComponentLink1Description=https://datasheet.ciiva.com/1903/21749j-1903248.pdf?src-supplier=Digi-Key, ComponentLink1URL=https://datasheet.ciiva.com/1903/21749j-1903248.pdf?src-supplier=Digi-Key, ComponentLink2Description=https://datasheet.ciiva.com/41455/001085450-da-01-en-ic-eeprom-1kb-93lc46bt-i-ot-sot-23-6-mcp-41455225.pdf?src-supplier=Conrad, ComponentLink2URL=https://datasheet.ciiva.com/41455/001085450-da-01-en-ic-eeprom-1kb-93lc46bt-i-ot-sot-23-6-mcp-41455225.pdf?src-supplier=Conrad, ComponentLink3Description=https://datasheet.ciiva.com/1155/1688094-1155913.pdf?src-supplier=Element14, ComponentLink3URL=https://datasheet.ciiva.com/1155/1688094-1155913.pdf?src-supplier=Element14, ComponentLink4Description=https://datasheet.ciiva.com/22715/664718-22715194.pdf?src-supplier=Element14, ComponentLink4URL=https://datasheet.ciiva.com/22715/664718-22715194.pdf?src-supplier=Element14, ComponentLink5Description=https://datasheet.ciiva.com/9280/21749j-9280764.pdf?src-supplier=Avnet, ComponentLink5URL=https://datasheet.ciiva.com/9280/21749j-9280764.pdf?src-supplier=Avnet, ComponentLink6Description=https://datasheet.ciiva.com/14134/93lc46-abc-eng-tds-14134797.pdf?src-supplier=Distrelec, ComponentLink6URL=https://datasheet.ciiva.com/14134/93lc46-abc-eng-tds-14134797.pdf?src-supplier=Distrelec, ComponentLink7Description=https://datasheet.ciiva.com/16387/filehandler-aspxddocname-en550232-16387837.pdf?src-supplier=Future+Electronics, ComponentLink7URL=https://datasheet.ciiva.com/16387/filehandler-aspxddocname-en550232-16387837.pdf?src-supplier=Future+Electronics, Contact Plating=Tin,Matte, Density=1Kb, Height=1.3mm, Interface=Serial, Lead Free="Lead Free", Length=3.1mm, Manufacturer Part Number=93LC46BT-I/OT, Max Frequency=2MHz, Memory Size=1Kb, Memory Type=EEPROM, Mount="Surface Mount", Number of Pins=6, Packaging="Tape and Reel", Pricing 1="1 = 0,20000, 100 = 0,19000 (USD)", Radiation Hardening=No, REACH SVHC="No SVHC", RoHS=Yes, Stock 1=3299, Supplier 1=Digi-Key, Termination=SMD/SMT, Width=1.8mm
IC29_RS232_1 IC29_RS232_2 IC29_RS232_3 IC29_RS232_4 IC29_RS232_5 IC29_RS232_6 IC29_RS232_7 IC29_RS232_8 IC30_RS232_1 IC30_RS232_2 IC30_RS232_3 IC30_RS232_4 IC30_RS232_5 IC30_RS232_6 IC30_RS232_7 IC30_RS232_8: "Inverter 1-Element CMOS 5-Pin SOT-23 T/R", Case/Package=SOT-23, High Level Output Current=-32mA, Low Level Output Current=32mA, Manufacturer="Texas Instruments", Max Operating Temperature=125°C, Max Supply Voltage=5.5V, Min Operating Temperature=-40°C, Min Supply Voltage=1.65V, Package Quantity=1, Quiescent Current=10uA, Supplier Part Number 1=296-11599-1-ND, Category="Integrated Circuits (ICs)", ComponentLink1Description=https://datasheet.ciiva.com/1864/sn74lvc1g04-1864160.pdf?src-supplier=Digi-Key, ComponentLink1URL=https://datasheet.ciiva.com/1864/sn74lvc1g04-1864160.pdf?src-supplier=Digi-Key, ComponentLink2Description=https://datasheet.ciiva.com/7783/1700972-7783424.pdf?src-supplier=Element14, ComponentLink2URL=https://datasheet.ciiva.com/7783/1700972-7783424.pdf?src-supplier=Element14, ComponentLink3Description=https://datasheet.ciiva.com/36526/2014932-36526251.pdf?src-supplier=Jameco, ComponentLink3URL=https://datasheet.ciiva.com/36526/2014932-36526251.pdf?src-supplier=Jameco, ComponentLink4Description=https://datasheet.ciiva.com/14290/sn74lvc1g04-14290295.pdf?src-supplier=Avnet, ComponentLink4URL=https://datasheet.ciiva.com/14290/sn74lvc1g04-14290295.pdf?src-supplier=Avnet, ComponentLink5Description=https://datasheet.ciiva.com/1864/sn74lvc1g04-1864158.pdf?src-supplier=Digi-Key, ComponentLink5URL=https://datasheet.ciiva.com/1864/sn74lvc1g04-1864158.pdf?src-supplier=Digi-Key, Contact Plating=Tin,Matte, Height=1.3mm, Lead Free="Lead Free", Length=3.05mm, Logic Function=Inverter,Inverting,Buffer, Manufacturer Part Number=SN74LVC1G04DBVR, Max Output Current=32mA, Mount="Surface Mount", Number of Bits=1, Number of Circuits=1, Number of Elements=1, Number of Gates=1, Number of Inputs=1, Number of Pins=5, Output Current=32mA, Packaging="Tape and Reel", Pricing 1="1 = 0,30000, 10 = 0,24700, 25 = 0,20720, 100 = 0,13110, 250 = 0,10120, 500 = 0,08624, 1000 = 0,05865 (USD)", Propagation Delay=3.7ns, Radiation Hardening=No, REACH SVHC="No SVHC", RoHS=Yes, RoHS Compliant=Yes, Schmitt Trigger Input=No, Stock 1=132873, Supplier 1=Digi-Key, Termination=SMD/SMT, Turn-On Delay Time=7.5ns, Weight=0.000557oz, Width=1.75mm
IC31_RS232_1 IC31_RS232_2 IC31_RS232_3 IC31_RS232_4 IC31_RS232_5 IC31_RS232_6 IC31_RS232_7 IC31_RS232_8: "RECOM POWER - RFM-0505S - Isolated Board Mount DC/DC Converter, ITE & General, 1 Output, 1 W, 5 V, 200 mA", Manufacturer=Recom, Max Output Voltage=5V, Supplier Part Number 1=945-3159-ND, Category="Power Supplies - Board Mount DC-DC Converters", ComponentLink1Description=http://www.farnell.com/datasheets/2787866.pdf?src-supplier=Farnell, ComponentLink1URL=http://www.farnell.com/datasheets/2787866.pdf?src-supplier=Farnell, ComponentLink2Description=https://www.recom-power.com/pdf/Econoline/RFM.pdf?src-supplier=Digi-Key, ComponentLink2URL=https://www.recom-power.com/pdf/Econoline/RFM.pdf?src-supplier=Digi-Key, ComponentLink3Description=http://www.farnell.com/datasheets/2787866.pdf?src-supplier=Newark, ComponentLink3URL=http://www.farnell.com/datasheets/2787866.pdf?src-supplier=Newark, Height=10mm, Length=11.5mm, Manufacturer Part Number=RFM-0505S, Pricing 1="1 = 1,40000, 5 = 1,38000, 10 = 1,36000, 25 = 1,32000, 50 = 1,28000, 100 = 1,24000, 250 = 1,20000, 500 = 1,12000 (USD)", RoHS=No, Stock 1=13682, Supplier 1=Digi-Key, Weight=1.4g, Width=6mm
IC32_RS232_1 IC32_RS232_2 IC32_RS232_3 IC32_RS232_4 IC32_RS232_5 IC32_RS232_6 IC32_RS232_7 IC32_RS232_8: "Digital Isolator CMOS 4-CH 150Mbps Automotive 16-Pin QSOP T/R", Case/Package=QSOP, Isolated Power=No, Manufacturer="Silicon Labs", Max Operating Temperature=125°C, Min Operating Temperature=-40°C, Package Quantity=2500, Supplier Part Number 1=SI8645BA-B-IURCT-ND, Category=Isolators, Channel Type=Unidirectional, ComponentLink1Description=https://datasheet.ciiva.com/15272/si864x-15272845.pdf?src-supplier=Arrow+Europe, ComponentLink1URL=https://datasheet.ciiva.com/15272/si864x-15272845.pdf?src-supplier=Arrow+Europe, ComponentLink2Description=https://datasheet.ciiva.com/8124/si864x-8124729.pdf?src-supplier=Avnet, ComponentLink2URL=https://datasheet.ciiva.com/8124/si864x-8124729.pdf?src-supplier=Avnet, Data Rate=150Mbps, Manufacturer Part Number=SI8645BA-B-IUR, Number of Channels=4, Number of Pins=16, Packaging="Tape and Reel", Pricing 1="1 = 1,64000, 25 = 1,57480, 100 = 1,55400 (USD)", Propagation Delay=13ns, Pulse Width Distortion (PWD)=4.5ns, RoHS=Yes, RoHS Compliant=Yes, Series=Si8645BA, Stock 1=4650, Supplier 1=Digi-Key, Type="General Purpose", Weight=0.002931oz